# Altium PCB Room_Hub 20221215.PcbDoc (part 1 of 3)
Units mm, origin at the board's own origin, x right, y up, seen from the top; angles counter-clockwise.
Board outline 160.13 x 78.13 mm, 2 copper layers (Top Layer, Bottom Layer), stack 0.325 mm thick; 229 components, 191 nets, 714 pads, 601 vias.
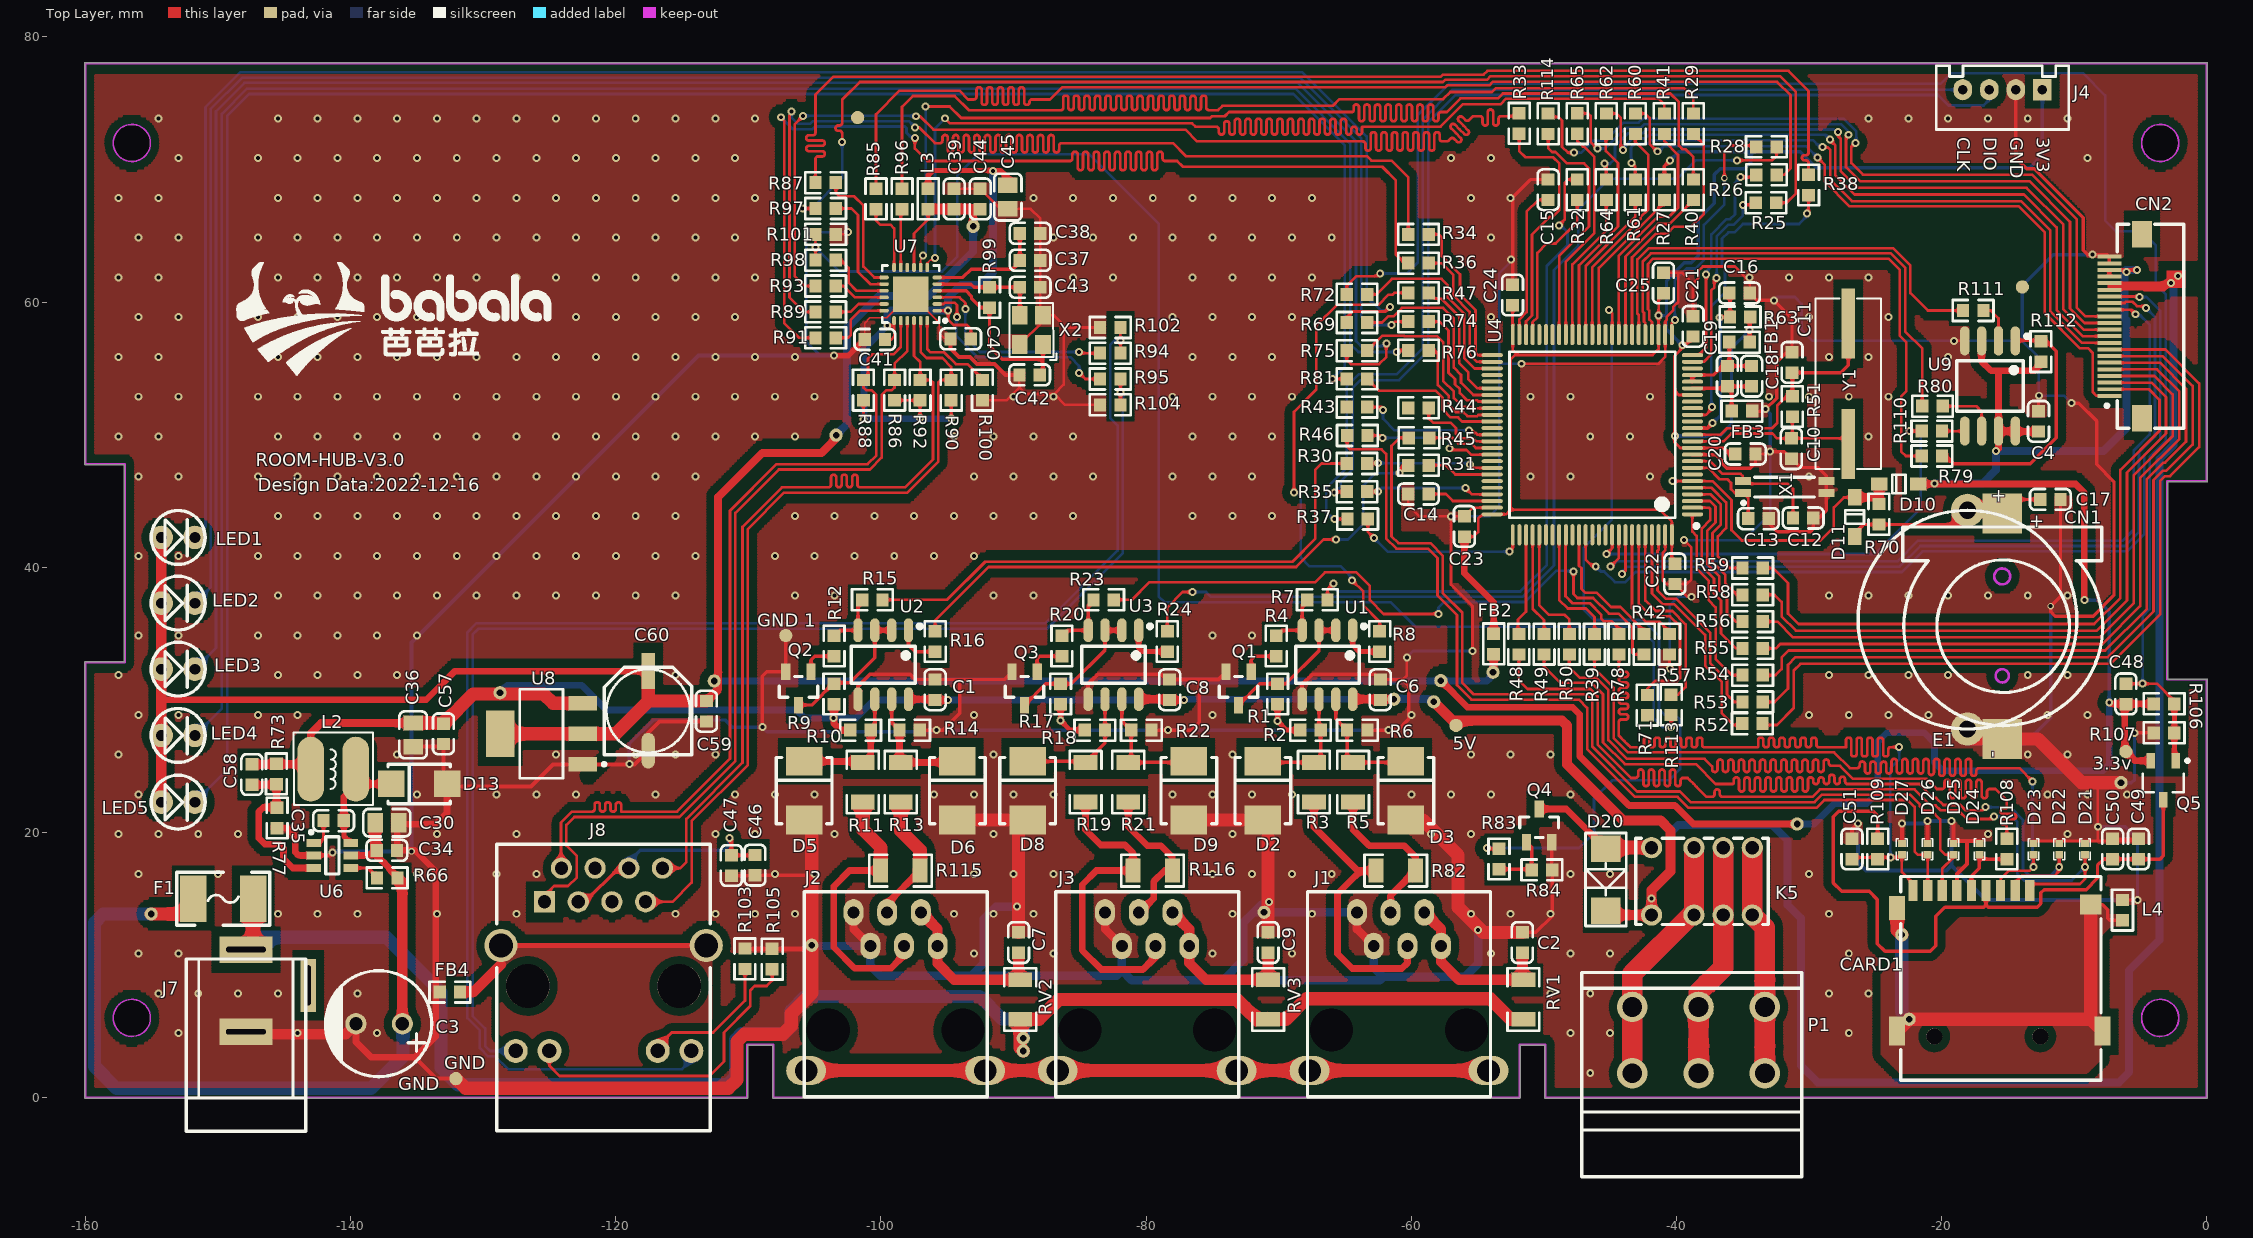
[diagram p0: Top Layer view]
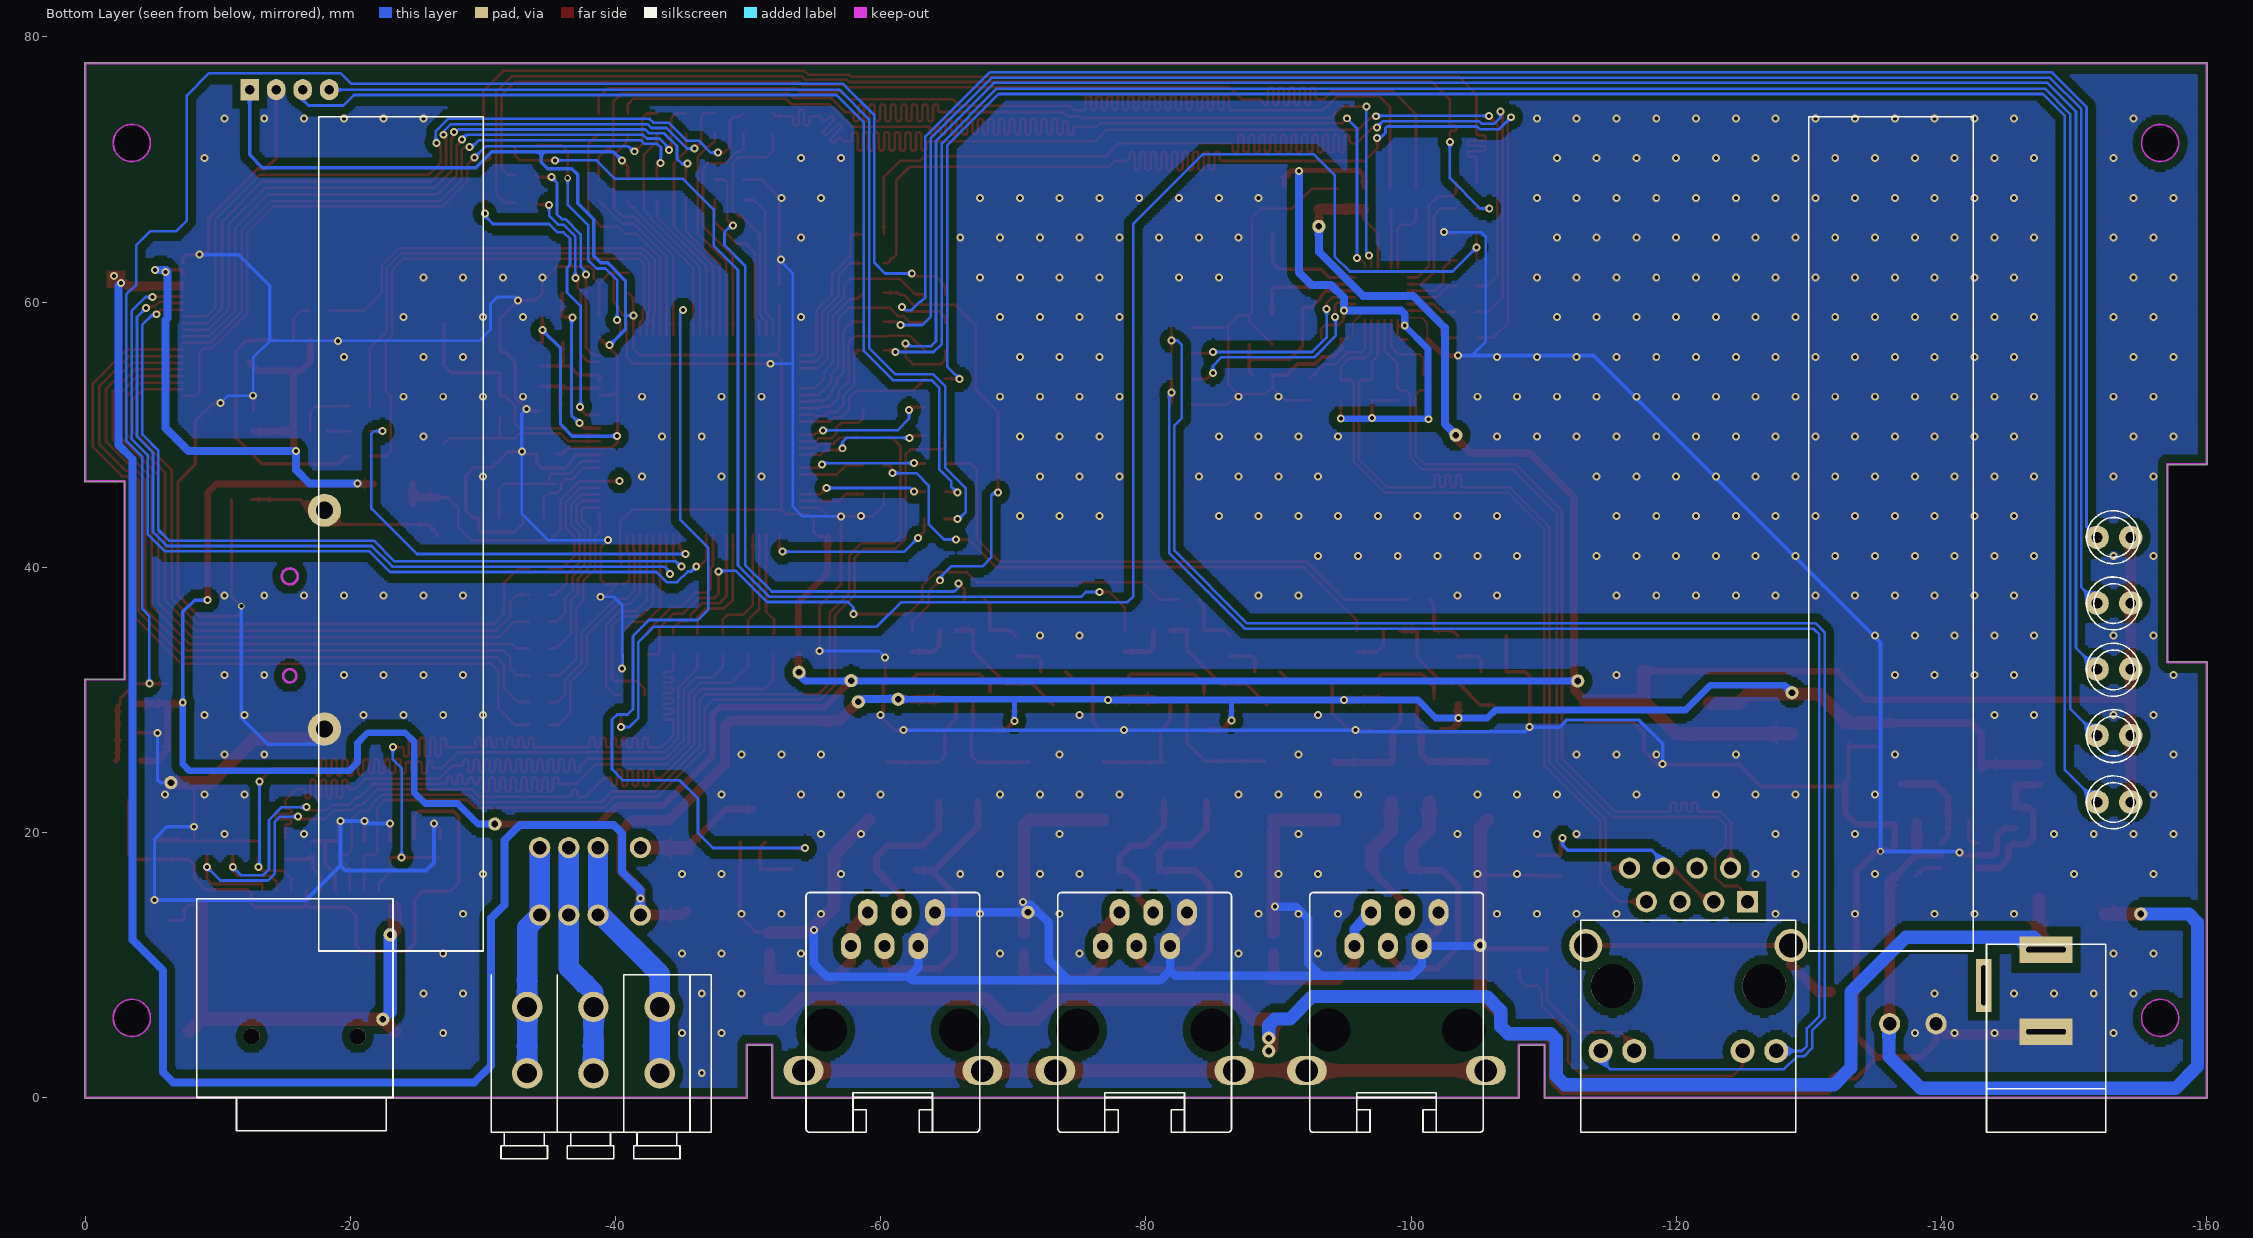
[diagram p1: Bottom Layer view, seen from below]
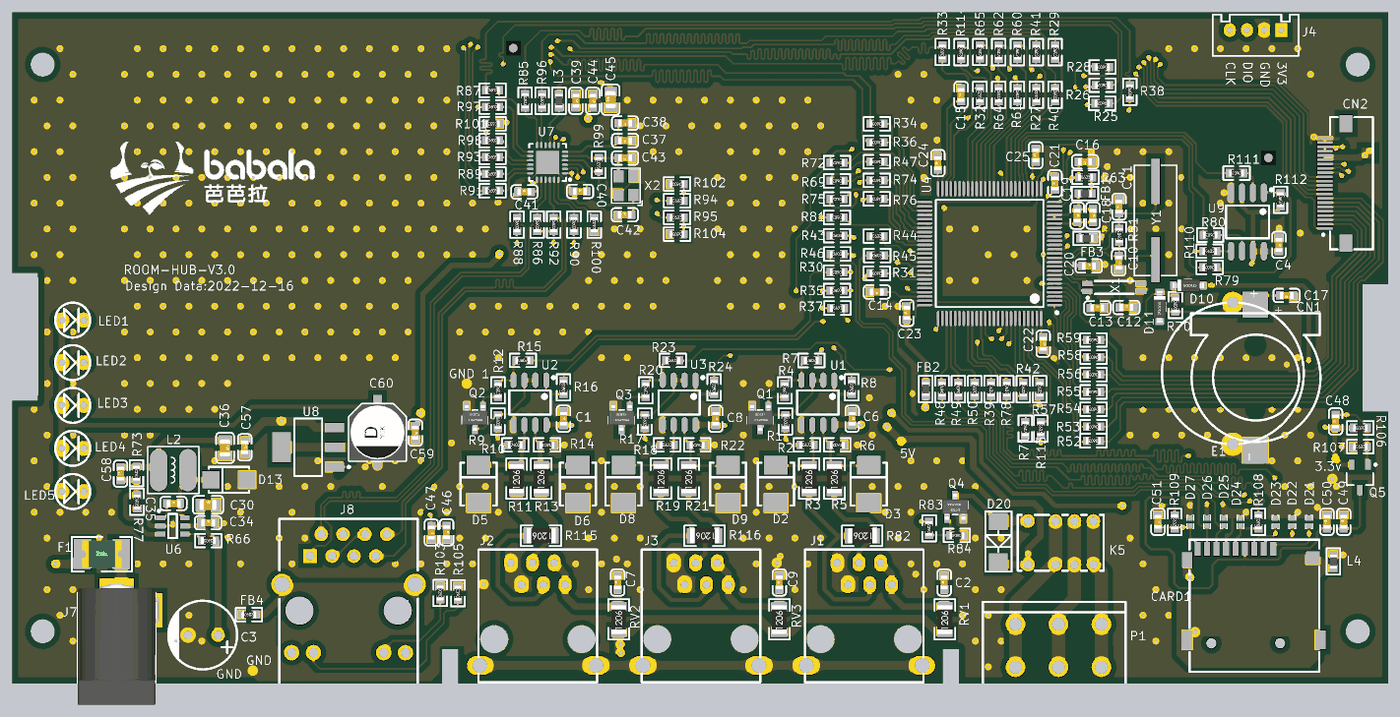
[diagram p4: 3D render of the assembled board from above, using the file's embedded part models]

## Layer stack, top to bottom
Top Solder: solder mask 0.0102, Solder Resist, Dk 3.5
Top Layer: signal copper 0.0356
Dielectric 1: core 0.254, FR-4, Dk 4.2
Bottom Layer: signal copper 0.0356
Bottom Solder: solder mask 0.0102, Solder Resist, Dk 3.5

## Board outline
-160,-0.064 -110.1,-0.064 ccw(c-110.1,0) -110.036,0 -110.036,3.936 -108.164,3.936 -108.164,0 ccw(c-108.1,0) -108.1,-0.064 -51.85,-0.064 ccw(c-51.85,0) -51.786,0 -51.786,3.936 -49.914,3.936 -49.914,0 ccw(c-49.85,0) -49.85,-0.064 0,-0.064 ccw(c0,0) 0.064,0 0.064,31.5 ccw(c0,31.5) 0,31.564 -2.936,31.564 -2.936,46.436 0,46.436 ccw(c0,46.5) 0.064,46.5 0.064,78 ccw(c0,78) 0,78.064 -160,78.064 ccw(c-160,78) -160.064,78 -160.064,47.8 ccw(c-160,47.8) -160,47.736 -157.064,47.736 -157.064,32.864 -160,32.864 ccw(c-160,32.8) -160.064,32.8 -160.064,0 ccw(c-160,0)
cut-out: -3.5,70.6 cw(c-3.5,72) -4.9,72 cw(c-3.5,72) -3.5,73.4 cw(c-3.5,72) -2.1,72 cw(c-3.5,72)
cut-out: -4.9,6 cw(c-3.5,6) -3.5,7.4 cw(c-3.5,6) -2.1,6 cw(c-3.5,6) -3.5,4.6 cw(c-3.5,6)
cut-out: -156.5,4.6 cw(c-156.5,6) -157.9,6 cw(c-156.5,6) -156.5,7.4 cw(c-156.5,6) -155.1,6 cw(c-156.5,6)
cut-out: -156.5,70.6 cw(c-156.5,72) -157.9,72 cw(c-156.5,72) -156.5,73.4 cw(c-156.5,72) -155.1,72 cw(c-156.5,72)

## Design rules (kind name [scope] priority, off if disabled: settings)
Clearance Clearance_1 [InPolygon] p1: gap=0.6
Clearance [All] p2: gap=0.2
DiffPairsRouting [All] p1: maxlimit=0.203 minlimit=0.2 mostfreqgap=0.2 toplayer_minwidth=0.025 toplayer_maxwidth=0.508 toplayer_prefwidth=0.2 bottomlayer_minwidth=0.025 bottomlayer_maxwidth=0.508 bottomlayer_prefwidth=0.2 maxuncoupledlength=12.7
MatchedLengths SD [InNetClass('SD')] p1: tolerance=0.635 checknetsindiffpair=FALSE checkdiffpairvsdiffpair=TRUE checkothers=TRUE
MatchedLengths LCD [InNetClass('LCD')] p2: tolerance=1.27 checknetsindiffpair=FALSE checkdiffpairvsdiffpair=TRUE checkothers=TRUE
MatchedLengths ETH [InNetClass('ETH')] p3: tolerance=1.27 checknetsindiffpair=FALSE checkdiffpairvsdiffpair=TRUE checkothers=TRUE
PolygonConnect [All] p1: connectstyle=Direct reliefconductorwidth=0.254 reliefentries=4 polygonreliefangle="90 Angle" airgapwidth=0.254
RoutingVias [All] p1: holewidth=0.711 width=1.27 viastyle="Through Hole" minholewidth=0.3 minwidth=0.5 maxholewidth=0.711 maxwidth=1.27
SilkToSilkClearance [All] p1 off: silktosilkclearance=0.254
SilkToSolderMaskClearance [IsPad] p1 off: minsilkscreentomaskgap=0.254 clearancetoexposedcopper=TRUE
SolderMaskExpansion [All] p1: expansion=0.102
UnpouredPolygon [All] p1: allowunpoured=FALSE
Width [All] p1: maxlimit=2.54 minlimit=0.025 preferedwidth=0.2 minimp=50.000000 maximp=50.000000 favimp=50.000000
26 further rules are at their usual default settings.

## Classes and differential pairs
differential pair class DIFF100: TPRX TPTX
component class TF_Card: C48 C49 C50 C51 CARD1 D21 D22 D23 D24 D25 D26 D27 L4 Q5 R106 R107 R108 R109
component class RJ45: C37 C38 C39 C40 C41 C42 C43 C44 C45 C46 C47 FB4 J8 L3 R85 R86 R87 R88 R89 R90 R91 R92 R93 R94 R95 R96 R97 R98 R99 R100 R101 R102 R103 R104 R105 U7 X2
component class LED&KEY&RELAY: CN2 D20 K5 LED1 LED2 LED3 LED4 LED5 P1 Q4 R69 R74 R75 R76 R81 R83 R84
component class STM32F429: C4 C10 C11 C12 C13 C14 C15 C16 C17 C18 C19 C20 C21 C22 C23 C24 C25 CN1 D10 D11 E1 FB1 FB2 FB3 J4 R25 R26 R27 R28 R29 R30 R31 R32 R33 R34 R35 R36 R37 R38 R39 R40 R41 R42 R43 R44 R45 R46 R47 R48 R49 R50 R51 R52 R53 R54 R55 R56 R57 R58 R59 R60 R61 R62 R63 R64 R65 R70 R71 R72 R78 R79 R80 R110 R111 R112 R113 R114 U4 U9 X1 Y1
component class RS485: C1 C2 C6 C7 C8 C9 D2 D3 D5 D6 D8 D9 J1 J2 J3 Q1 Q2 Q3 R1 R2 R3 R4 R5 R6 R7 R8 R9 R10 R11 R12 R13 R14 R15 R16 R17 R18 R19 R20 R21 R22 R23 R24 R82 R115 R116 RV1 RV2 RV3 U1 U2 U3
component class power: 3.3v 5V C3 C30 C34 C35 C36 C57 C58 C59 C60 D13 F1 GND "GND 1" J7 L2 R66 R73 R77 U6 U8
net class SD_CARD: SD0_CD SD0_CLK SD0_CMD SD0_D0 SD0_D1 SD0_D2 SD0_D3
net class ETH_NET: ETH_CRS_DV ETH_MDC ETH_MDIO ETH_REF_CLK ETH_RXD0 ETH_RXD1 ETH_TXD0 ETH_TXD1 ETH_TXEN
net class TPX: TPRX_N TPRX_P TPTX_N TPTX_P
differential pair TPRX: +TPRX_P -TPRX_N
differential pair TPTX: +TPTX_P -TPTX_N

## Components (designator, comment, footprint, x,y, rotation, side; value= is the part's Value field where it differs from the comment)
3.3v "Test Point No BOM" TP_1MM_SMD -6.086,26.092 r90 top
5V "Test Point No BOM" TP_1MM_SMD -56.617,28.067 r90 top (schematic designator 5v)
C1 "0.1uf/50V" 0603_C -95.908,30.754 r270 top
C2 "0.1uf/50V" 0603_C -51.613,11.684 r90 top
C3 "220uf/35V/8*12" CAP8*12 -136.093,5.563 r180 top
C4 "0.1uf/50V" 0603_C -12.675,51.003 r270 top
C6 "0.1uf/50V" 0603_C -62.327,30.754 r270 top
C7 "0.1uf/50V" 0603_C -89.611,11.684 r90 top
C8 "0.1uf/50V" 0603_C -78.212,30.754 r270 top
C9 "0.1uf/50V" 0603_C -70.79,11.684 r90 top
C10 "4.3PF" 0603_C -31.318,48.946 r270 top
C11 "4.3PF" 0603_C -31.267,55.448 r90 top
C12 "10PF" 0603_C -30.429,43.713 r0 top
C13 "10PF" 0603_C -33.807,43.663 r0 top
C14 "2.2uf/10V" 0603_C -59.447,45.519 r180 top
C15 "2.2uf/10V" 0603_C -49.66,68.473 r90 top
C16 "0.1UF/50V" 0603_C -35.23,60.681 r180 top
C17 "0.1UF/50V" 0603_C -11.786,45.11 r180 top
C18 "10UF/16V" 0603_C -34.315,54.407 r270 top
C19 "0.1uf/50V" 0603_C -36.144,54.407 r270 top
C20 "0.1uf/50V" 0603_C -34.79,48.539 r0 top
C21 "0.1uf/50V" 0603_C -38.735,58.166 r90 top
C22 "0.1uf/50V" 0603_C -40.107,39.497 r270 top
C23 "0.1uf/50V" 0603_C -55.982,43.078 r90 top
C24 "0.1uf/50V" 0603_C -52.349,60.528 r90 top
C25 "0.1uf/50V" 0603_C -40.97,61.443 r90 top
C30 "10uF/35V" 0805_C -137.262,20.726 r0 top
C34 "0.1uF/50V" 0603_C -137.262,18.644 r0 top
C35 "0.1uF/50V" 0603_C -141.275,20.879 r0 top
C36 "22UF/10v" 0805_C -135.28,27.356 r270 top
C37 "104 50V" 0603_C -88.742,63.149 r180 top
C38 "104 50V" 0603_C -88.742,65.181 r180 top
C39 "104 50V" 0603_C -94.47,67.779 r270 top
C40 "104 50V" 0603_C -93.98,57.226 r0 top
C41 "104 50V" 0603_C -100.457,57.175 r0 top
C42 "22pF (220) 5% 50V" 0603_C -88.778,54.505 r0 top
C43 "22pF (220) 5% 50V" 0603_C -88.742,61.117 r180 top
C44 "104 50V" 0603_C -92.504,67.779 r270 top
C45 "10uF (106) 10% 25V" 0805_C -90.424,67.92 r90 top
C46 "0.1uf(104)/50V" 0603_C -109.499,17.526 r270 top
C47 "0.1uf(104)/50V" 0603_C -111.277,17.501 r270 top
C48 "0.1uF/50V" 0603_C -6.086,30.443 r90 top
C49 "0.1uF/50V" 0603_C -5.138,18.745 r90 top
C50 "10uF/16V" 0603_C -7.087,18.745 r90 top
C51 "0.1uF/50V" 0603_C -26.746,18.745 r270 top
C57 "0.1uF/50V" 0603_C -132.994,27.432 r270 top
C58 "22pf" 0603_C -147.447,24.359 r90 top
C59 "0.1uF/50V" 0603_C -113.157,29.134 r270 top
C60 "100uf/25V" "CM D(6.3*7.7)" -117.551,29.159 r90 top
CARD1 "THD2528-11SD-GF" TF-SMD_THD2528-11SD-GF -13.338,15.605 r0 top locked
CN1 "BAT" BATS -15.418,44.044 r0 top
CN2 "KH-FG0.5-H2.0-22PIN" FPC-SMD_KH-FG0.5-H2.0-22PIN -6.106,58.173 r270 top locked
D2 "SMBJ6.5CA" SMB(DO-214AA)_S1 -71.191,23.142 r270 top
D3 "SMBJ6.5CA" SMB(DO-214AA)_S1 -60.396,23.142 r270 top
D5 "SMBJ6.5CA" SMB(DO-214AA)_S1 -105.788,23.142 r270 top
D6 "SMBJ6.5CA" SMB(DO-214AA)_S1 -94.231,23.142 r270 top
D8 "SMBJ6.5CA" SMB(DO-214AA)_S1 -88.931,23.142 r270 top
D9 "SMBJ6.5CA" SMB(DO-214AA)_S1 -76.764,23.142 r270 top
D10 "1N4148" SOD-123 -23.216,46.279 r0 top
D11 "1N4148" SOD-123 -26.543,43.79 r270 top
D13 "SS16" SMA(DO-214AC)_S1 -134.823,23.647 r0 top
D20 "M7" SO-0.4 -45.319,16.43 r90 top
D21 "FS05LBDF" DFN1006-2L -9.165,18.729 r270 top
D22 "FS05LBDF" DFN1006-2L -11.115,18.729 r270 top
D23 "FS05LBDF" DFN1006-2L -13.064,18.729 r270 top
D24 "FS05LBDF" DFN1006-2L -17.141,18.729 r270 top
D25 "FS05LBDF" DFN1006-2L -19.091,18.729 r270 top
D26 "FS05LBDF" DFN1006-2L -21.041,18.729 r270 top
D27 "FS05LBDF" DFN1006-2L -22.99,18.729 r270 top
E1 "0.68F/5.5V" "0.68F/5.5V P=16.5 H=4.5" -18.034,36.043 r270 top
F1 "0.5A/30V" "FU 1812" -149.606,14.986 r180 top
FB1 "30R/2.0A/0.05DCR" 0603_L -35.23,56.972 r180 top
FB2 "30R/2.0A/0.05DCR" 0603_L -53.772,34.214 r90 top
FB3 "30R/2.0A/0.05DCR" 0603_L -35.052,51.765 r180 top
FB4 "0R" 0603_R -132.512,7.95 r0 top
GND "Test Point No BOM" TP_1MM_SMD -132.055,1.422 r270 top
"GND 1" "Test Point No BOM" TP_1MM_SMD -107.168,34.845 r90 top
J1 "RJ12" RJ12 -67.665,2.027 r0 top locked
J2 "RJ12" RJ12 -105.638,2.027 r0 top locked
J3 "RJ12" RJ12 -86.664,2.027 r0 top locked
J4 "Header 4" CON4-2.0 -12.388,76.019 r180 top
J7 "CON3" POWER -147.894,11.159 r90 top locked
J8 "HY911102A" RJ45-TH_HR911105A -125.365,14.761 r0 top locked
K5 "HFD4/5" RELAY-TH_HFDXXX -41.865,13.763 r0 top
L2 "6.8uH" L-SPD -143.002,24.765 r0 top
L3 "30Ω" 0603_L -96.435,67.779 r90 top
L4 "600R/100M" 0603_L -6.34,14.128 r90 top
LED1 "黄绿" LED-3F -154.277,42.243 r0 top locked
LED2 "黄绿" LED-3F -154.277,37.29 r0 top locked
LED3 "黄绿" LED-3F -154.277,32.312 r0 top locked
LED4 "黄绿" LED-3F -154.277,27.308 r0 top locked
LED5 "黄绿" LED-3F -154.277,22.279 r0 top locked
P1 "Header 3" CON-KF-22R-3P -43.323,1.827 r0 top locked
Q1 "SS8050 Y1" SOT-23(SOT-23-3) -73.02,30.852 r90 top
Q2 "SS8050 Y1" SOT-23(SOT-23-3) -106.218,30.852 r90 top
Q3 "SS8050 Y1" SOT-23(SOT-23-3) -89.159,30.852 r90 top
Q4 "SS8050 Y1" SOT-23(SOT-23-3) -50.342,20.512 r270 top
Q5 "G2305_C402251" SOT-23-3L -3.264,23.925 r90 top
R1 "2k/1%" 0603_R -70.074,30.434 r270 top
R2 "680R/5%" 0603_R -67.593,27.708 r0 top
R3 "1R-1/4W/5%" 1206_R -67.331,23.786 r90 top
R4 "4.7k/1%" 0603_R -70.175,34.056 r270 top
R5 "1R-1/4W/5%" 1206_R -64.384,23.786 r90 top
R6 "680R/5%" 0603_R -64.062,27.708 r180 top
R7 "33R/1%" 0603_R -67.077,37.538 r0 top
R8 "33R/1%" 0603_R -62.378,34.394 r90 top
R9 "2k/1%" 0603_R -103.536,30.434 r270 top
R10 "680R/5%" 0603_R -101.529,27.708 r0 top
R11 "1R-1/4W/5%" 1206_R -101.369,23.786 r90 top
R12 "4.7k/1%" 0603_R -103.528,34.056 r270 top
R13 "1R-1/4W/5%" 1206_R -98.499,23.786 r90 top
R14 "680R/5%" 0603_R -97.829,27.708 r180 top
R15 "33R/1%" 0603_R -100.64,37.544 r0 top
R16 "33R/1%" 0603_R -95.908,34.394 r90 top
R17 "2k/1%" 0603_R -86.442,30.434 r270 top
R18 "680R/5%" 0603_R -83.859,27.708 r0 top
R19 "1R-1/4W/5%" 1206_R -84.562,23.786 r90 top
R20 "4.7k/1%" 0603_R -86.34,34.056 r270 top
R21 "1R-1/4W/5%" 1206_R -81.336,23.786 r90 top
R22 "680R/5%" 0603_R -80.354,27.708 r180 top
R23 "33R/1%" 0603_R -83.19,37.544 r0 top
R24 "33R/1%" 0603_R -78.39,34.394 r90 top
R25 "33R/5%" 0603_R -33.235,67.49 r180 top
R26 "33R/5%" 0603_R -33.193,69.599 r180 top
R27 "100K/5%" 0603_R -40.902,68.473 r90 top
R28 "10R/5%" 0603_R -33.204,71.714 r180 top
R29 "33R/5%" 0603_R -38.712,73.451 r270 top
R30 "0R/5%" 0603_R -64.087,47.823 r180 top
R31 "0R/5%" 0603_R -59.447,47.687 r180 top
R32 "10R/5%" 0603_R -47.47,68.473 r90 top
R33 "33R/5%" 0603_R -51.847,73.475 r90 top
R34 "33R/5%" 0603_R -59.447,65.103 r180 top
R35 "10R/5%" 0603_R -64.087,45.697 r0 top
R36 "33R/5%" 0603_R -59.447,62.935 r180 top
R37 "10R/5%" 0603_R -64.033,43.637 r0 top
R38 "33R/5%" 0603_R -30.023,68.834 r270 top
R39 "0R/5%" 0603_R -46.169,34.191 r270 top
R40 "33R/5%" 0603_R -38.712,68.473 r270 top
R41 "33R/5%" 0603_R -40.902,73.451 r270 top
R42 "10R/5%" 0603_R -42.419,34.191 r270 top
R43 "10R/5%" 0603_R -64.087,52.076 r0 top
R44 "10R/5%" 0603_R -59.447,52.022 r0 top
R45 "0R/5%" 0603_R -59.411,49.759 r0 top
R46 "0R/5%" 0603_R -64.059,49.936 r0 top
R47 "10R/5%" 0603_R -59.447,60.692 r180 top
R48 "0R/5%" 0603_R -51.875,34.191 r90 top
R49 "0R/5%" 0603_R -49.973,34.191 r90 top
R50 "0R/5%" 0603_R -48.071,34.191 r90 top
R51 "1M/5%" 0603_R -31.242,52.121 r90 top
R52 "10R/5%" 0603_R -34.265,28.194 r180 top
R53 "10R/5%" 0603_R -34.237,29.833 r180 top
R54 "10R/5%" 0603_R -34.237,31.854 r180 top
R55 "10R/5%" 0603_R -34.237,33.875 r180 top
R56 "10R/5%" 0603_R -34.237,35.896 r180 top
R57 "10K/5%" 0603_R -40.51,34.191 r270 top
R58 "10R/5%" 0603_R -34.237,37.917 r180 top
R59 "10R/5%" 0603_R -34.237,39.939 r180 top
R60 "10R/5%" 0603_R -43.091,73.451 r270 top
R61 "10R/5%" 0603_R -43.091,68.473 r270 top
R62 "10R/5%" 0603_R -45.281,73.451 r270 top
R63 "10K/5%" 0603_R -35.179,58.877 r0 top
R64 "10R/5%" 0603_R -45.281,68.473 r270 top
R65 "10R/5%" 0603_R -47.47,73.459 r270 top
R66 "10K/5%" 0603_R -137.236,16.561 r180 top
R69 "10k/5%" 0603_R -64.087,58.455 r180 top
R70 "100R/5%" 0603_R -24.714,43.993 r270 top
R71 "100R/5%" 0603_R -42.189,29.591 r270 top
R72 "33R/5%" 0603_R -64.087,60.582 r180 top
R73 "100K/1%" 0603_R -145.593,24.409 r90 top
R74 "10k/5%" 0603_R -59.447,58.524 r180 top
R75 "10k/5%" 0603_R -64.087,56.329 r180 top
R76 "10k/5%" 0603_R -59.447,56.357 r180 top
R77 "13.7k/1%" 0603_R -145.542,21.082 r270 top
R78 "0R/5%" 0603_R -44.329,34.191 r270 top
R79 "10R/5%" 0603_R -20.726,48.387 r180 top
R80 "10R/5%" 0603_R -20.676,52.146 r180 top
R81 "10k/5%" 0603_R -64.087,54.203 r180 top
R82 "120R-1/4W/5%" 1206_R -61.163,17.12 r180 top
R83 "1K/5%" 0603_R -53.371,17.988 r90 top
R84 "10K/5%" 0603_R -50.137,17.167 r180 top
R85 "510Ω (5100) ±1%" 0603_R -100.367,67.779 r270 top
R86 "49.9Ω (49R9) ±1%" 0603_R -98.964,53.354 r270 top
R87 "510Ω (5100) ±1%" 0603_R -104.163,69.008 r0 top
R88 "49.9Ω (49R9) ±1%" 0603_R -101.316,53.354 r270 top
R89 "10Ω (10R0) ±1%" 0603_R -104.163,59.257 r0 top
R90 "49.9Ω (49R9) ±1%" 0603_R -94.692,53.354 r270 top
R91 "10Ω (10R0) ±1%" 0603_R -104.163,57.307 r0 top
R92 "49.9Ω (49R9) ±1%" 0603_R -97.044,53.354 r270 top
R93 "10Ω (10R0) ±1%" 0603_R -104.163,61.207 r0 top
R94 "510Ω (5100) ±1%" 0603_R -82.697,56.139 r0 top
R95 "510Ω (5100) ±1%" 0603_R -82.697,54.195 r0 top
R96 "10Ω (10R0) ±1%" 0603_R -98.401,67.779 r270 top
R97 "10Ω (10R0) ±1%" 0603_R -104.163,67.058 r0 top
R98 "33Ω (33R0) ±1%" 0603_R -104.163,63.158 r0 top
R99 "1MΩ (1004) ±1%" 0603_R -91.801,60.347 r90 top
R100 "12KΩ (1202) ±1%" 0603_R -92.339,53.354 r90 top
R101 "10KΩ (1002) ±1%" 0603_R -104.163,65.108 r180 top
R102 "10K/1%" 0603_R -82.697,58.082 r180 top
R103 "270R/1%" 0603_R -110.252,10.463 r90 top
R104 "10K/1%" 0603_R -82.697,52.252 r180 top
R105 "270R/1%" 0603_R -108.194,10.437 r90 top
R106 "100K/1%" 0603_R -3.205,29.691 r180 top
R107 "10K/1%" 0603_R -3.205,27.507 r0 top
R108 "22R/1%" 0603_R -15.064,18.745 r90 top
R109 "10K/1%" 0603_R -24.812,18.745 r270 top
R110 "10R/5%" 0603_R -20.726,50.267 r0 top
R111 "10R/5%" 0603_R -17.602,59.36 r180 top
R112 "10K/5%" 0603_R -12.497,56.261 r270 top
R113 "33R/5%" 0603_R -40.386,29.616 r270 top
R114 "10R/5%" 0603_R -49.66,73.451 r270 top
R115 "120R-1/4W/5%" 1206_R -98.527,17.12 r180 top
R116 "120R-1/4W/5%" 1206_R -79.502,17.12 r180 top
RV1 "PTC/0.2A/30V" 1206_R -51.537,7.391 r90 top
RV2 "PTC/0.2A/30V" 1206_R -89.484,7.391 r90 top
RV3 "PTC/0.2A/30V" 1206_R -70.79,7.391 r90 top
U1 "MAX485" SOIC-8_150mil -66.315,32.642 r180 top
U2 "MAX485" SOIC-8_150mil -99.819,32.642 r180 top
U3 "MAX485" SOIC-8_150mil -82.454,32.642 r180 top
U4 "STM32F407VET6" LQFP-100_L14.0-W14.0-P0.50-LS16.0-BL -38.786,43.993 r90 top
U6 "SY8291" SOT-23-6 -141.376,18.263 r180 top
U7 "LAN8720AI-CP-TR" QFN-24_4x4x05P -97.751,60.604 r90 top
U8 "AMS1117-2.5_C963405" 1117-DSO-G3 -125.603,27.432 r90 top
U9 "W25Q16JVSNIQ" SOIC-8_208mil -16.332,53.67 r180 top
X1 "32.768KHz" MC-146_4P -34.976,45.593 r0 top
X2 "25MHz" OSC-SMD_4P-L3.2-W2.5-BL -88.649,57.899 r90 top
Y1 "8MHz ±10ppm 12pF" HC-49SMD -27.026,58.395 r90 top
? "Comment" "BBL LOGO" -137.744,58.75 r0 top
? "Comment" TOP_MARK -13.894,61.138 r0 top
? "Comment" TOP_MARK -101.752,73.914 r0 top

## Footprints (in the part's own frame and the unit in brackets; to place one, negate y for a bottom-side part, rotate by r counter-clockwise, add the part's x,y. Pads: shape width x height; smd on the part's side, far side on the other; paste and mask are expansions set on the pad)
"0.68F/5.5V P=16.5 H=4.5" [mm]
  round 2.5 hole 1.3: 1(-8.25,0) 2(8.25,0)
  silkscreen extent -8.25,-8.25 8.25,8.25
0603_C [mm]
  rect 0.93x0.98 smd: 1(-0.77,0) 2(0.77,0)
  silkscreen extent -1.53,-0.79 1.54,0.79, body extent -0.8,-0.4 0.8,0.4, height 0.3
0603_L [mm]
  rect 0.93x0.98 smd: 1(-0.77,0) 2(0.77,0)
  silkscreen extent -1.53,-0.79 1.54,0.79, body extent -0.82,-0.41 0.83,0.41, height 0.46
0603_R [mm]
  rect 0.93x0.98 smd: 1(-0.77,0) 2(0.77,0)
  silkscreen extent -1.53,-0.79 1.54,0.79, body extent -0.85,-0.4 0.85,0.4, height 0.56
0805_C [mm]
  rect 1.16x1.47 smd: 1(-0.89,0) 2(0.89,0)
  silkscreen extent -1.77,-1.04 1.77,1.04, body extent -1,-0.62 1,0.63, height 0.77
1117-DSO-G3 [mm] "1117"
  rect 1.1x2.15 smd: 1(-2.3,-3.1) 2(0,-3.1) 3(2.3,-3.1)
  rect 3.5x2.15 smd: 4(0,3.1)
  silkscreen extent -3.35,-4.85 3.35,1.62
1206_R [mm]
  rect 1.13x1.8 smd: 1(-1.49,0) 2(1.49,0)
  silkscreen extent -2.36,-1.2 2.35,1.2, body extent -1.7,-0.86 1.65,0.87, height 0.85